# Altium PCB AMS_Remote_Module_A1.PcbDoc (part 3 of 3)
Units mm, origin at the board's own origin, x right, y up, seen from the top; angles counter-clockwise.
Board outline 140 x 118 mm, 4 copper layers (Top Layer, Layer 1, Layer 2, Bottom Layer), stack 0.603 mm thick; 282 components, 222 nets, 873 pads, 680 vias.
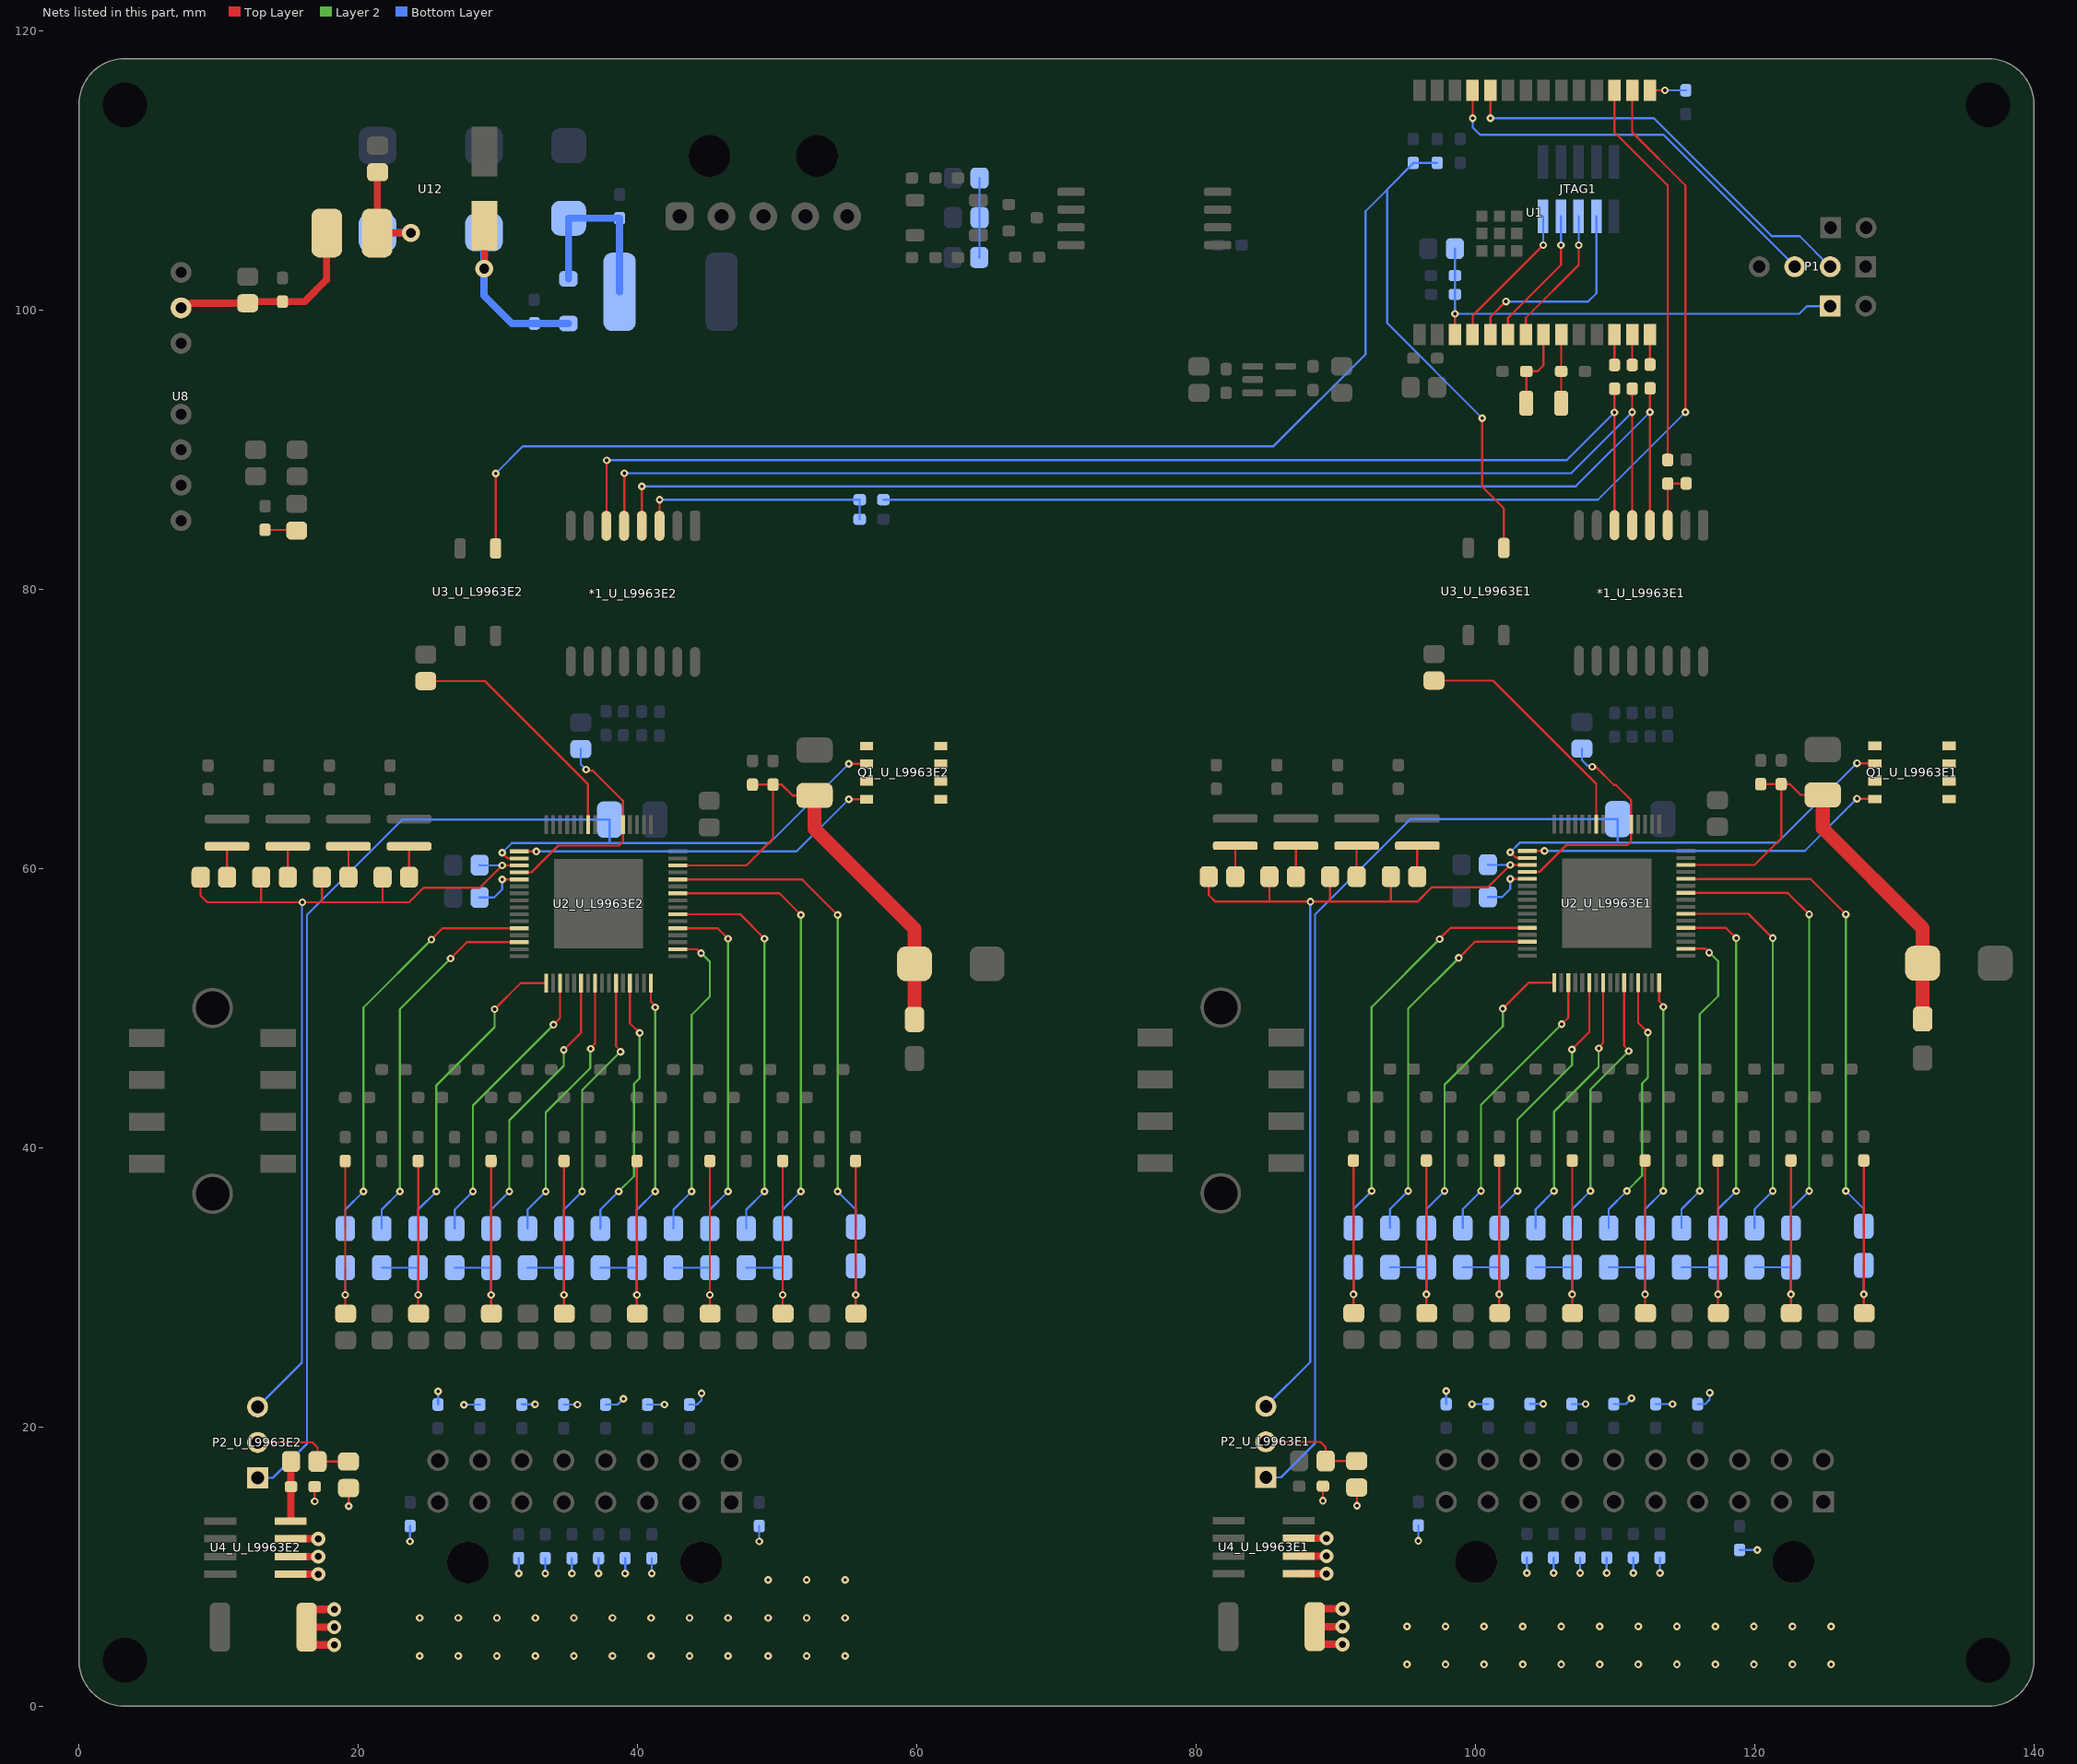
[diagram p5: the nets of this part, all layers, seen from the top]

## Via types
v1: diameter 0.55, hole 0.25, Top Layer to Bottom Layer, tented both sides, 645 vias
v2: diameter 1, hole 0.5, Top Layer to Bottom Layer, tented both sides, 26 vias
v3: diameter 1.27, hole 0.711, Top Layer to Bottom Layer, tented both sides, 9 vias

## Nets (pads, with @x,y where several pads share a name; then routed paths per layer and width w, separated by ;. In a path a pad name is that pad's centre, name@x,y a point inside that pad or via, vN(x,y) a via of type N, cw(c..) or ccw(c..) an arc to the next point about the centre after c; other vN are vias at no path point) (continued)
NetC47_U_L9963E2_2: C47_U_L9963E2.2 R56_U_L9963E2.2 U4_U_L9963E2.4 | length 4.3
  Top Layer w0.152: U4_U_L9963E2.4@15.164,13.259 U4_U_L9963E2.4@15.189,13.284
  Top Layer w0.533: U4_U_L9963E2.4@15.189,13.284 C47_U_L9963E2.2@15.189,15.723 R56_U_L9963E2.2@15.189,17.527 15.189,17.549 R56_U_L9963E2.2@15.192,17.551
NetC53_2: C53.2 R65.1 R66.2 | length 5.7
  Bottom Layer w0.152: R65.1@64.464,103.759 64.489,103.759 C53.2@64.489,106.619 R66.2@64.489,109.449
NetC67_2: C67.2 L1.2 U12.2 | length 9.2
  Top Layer w0.508: C67.2@21.39,109.869 21.374,109.853 21.374,105.528 L1.2@21.358,105.512 v3(23.774,105.512)
  Bottom Layer w0.508: U12.2@21.39,105.549 21.409,105.53 23.756,105.53 v3(23.774,105.512)
NetC70_2: C70.2 D2.A D4.K F1.2 | length 13.3
  Bottom Layer w0.152: D2.A@35.052,102.235 D2.A@35.072,102.235
  Bottom Layer w0.508: D2.A@35.072,102.235 D4.K@35.072,106.569 C70.2@38.716,106.569 F1.2@38.716,101.298
NetD3_K: D3.K R69.2 | length 2.3
  Top Layer w0.152: R69.2@13.335,84.252 D3.K@15.595,84.252
NetP2_U_L9963E1_2: P2_U_L9963E1.2 R56_U_L9963E1.1 R58_U_L9963E1.2 | length 7.7
  Top Layer w0.152: P2_U_L9963E1.2@84.988,18.935 88.9,18.935 89.276,18.559 R56_U_L9963E1.1@89.276,17.564 R58_U_L9963E1.2@91.492,17.564
NetP2_U_L9963E2_2: P2_U_L9963E2.2 R56_U_L9963E2.1 R58_U_L9963E2.2 | length 7.7
  Top Layer w0.152: P2_U_L9963E2.2@12.802,18.898 16.713,18.898 17.089,18.522 R56_U_L9963E2.1@17.089,17.527 R58_U_L9963E2.2@19.305,17.527
NetQ1_U_L9963E1_4: Q1_U_L9963E1.4 U2_U_L9963E1.17 | length 26.4
  Top Layer w0.152: U2_U_L9963E1.17@103.721,61.257 v1(104.945,61.256) ; v1(127.318,64.999) Q1_U_L9963E1.4@128.587,64.999
  Bottom Layer w0.152: v1(104.945,61.256) 123.576,61.257 v1(127.318,64.999)
NetQ1_U_L9963E2_4: Q1_U_L9963E2.4 U2_U_L9963E2.17 | length 26.4
  Top Layer w0.152: U2_U_L9963E2.17@31.534,61.219 v1(32.758,61.219) ; v1(55.131,64.961) Q1_U_L9963E2.4@56.4,64.961
  Bottom Layer w0.152: v1(32.758,61.219) 51.389,61.219 v1(55.131,64.961)
NetR1_1: R1.1 U1.15 | length 2.6
  Top Layer w0.152: U1.15@112.497,115.736 v1(113.563,115.736)
  Bottom Layer w0.152: v1(113.563,115.736) R1.1@115.062,115.736
NetR3_2: R3.2 R4.2 U3_U_L9963E1.3 U3_U_L9963E2.3 | length 117.2
  Top Layer w0.152: U3_U_L9963E2.3@29.845,82.92 v1(29.845,88.29) ; v1(100.482,92.253) 100.482,87.351 102.032,85.801 U3_U_L9963E1.3@102.032,82.958
  Bottom Layer w0.152: v1(29.845,88.29) 31.801,90.246 85.547,90.246 92.126,96.825 92.126,107.075 93.675,108.625 ; 93.681,108.63 93.675,108.625 ; R4.2@95.543,110.543 R4.2@95.582,110.543 ; R3.2@97.257,110.543 R4.2@95.582,110.543 ; v1(100.482,92.253) 93.675,99.06 93.675,108.625 ; 93.675,108.625 93.675,108.636 R4.2@95.582,110.543
NetR6_U_L9963E1_2: R6_U_L9963E1.2 R7_U_L9963E1.1 R8_U_L9963E1.1 | length 13
  Top Layer w0.152: R7_U_L9963E1.1@127.808,39.091 v1(127.807,29.502) 127.807,28.185 R6_U_L9963E1.2@127.839,28.154
  Bottom Layer w0.152: v1(127.807,29.502) R8_U_L9963E1.1@127.807,31.573
NetR6_U_L9963E2_2: R6_U_L9963E2.2 R7_U_L9963E2.1 R8_U_L9963E2.1 | length 13
  Top Layer w0.152: R7_U_L9963E2.1@55.621,39.053 v1(55.62,29.464) 55.62,28.148 R6_U_L9963E2.2@55.652,28.116
  Bottom Layer w0.152: v1(55.62,29.464) R8_U_L9963E2.1@55.621,31.536
NetR11_U_L9963E1_1: R11_U_L9963E1.1 R12_U_L9963E1.2 R13_U_L9963E1.1 R14_U_L9963E1.1 | length 15.5
  Top Layer w0.152: v1(122.587,29.502) 122.587,28.18 R12_U_L9963E1.2@122.614,28.154 ; v1(122.587,29.502) R13_U_L9963E1.1@122.588,39.091
  Bottom Layer w0.152: R14_U_L9963E1.1@119.977,31.447 R11_U_L9963E1.1@122.588,31.447 ; v1(122.587,29.502) R11_U_L9963E1.1@122.587,31.446
NetR11_U_L9963E2_1: R11_U_L9963E2.1 R12_U_L9963E2.2 R13_U_L9963E2.1 R14_U_L9963E2.1 | length 15.5
  Top Layer w0.152: v1(50.4,29.464) 50.4,28.143 R12_U_L9963E2.2@50.427,28.116 ; v1(50.4,29.464) R13_U_L9963E2.1@50.401,39.053
  Bottom Layer w0.152: R14_U_L9963E2.1@47.791,31.409 R11_U_L9963E2.1@50.401,31.409 ; v1(50.4,29.464) R11_U_L9963E2.1@50.4,31.408
NetR17_U_L9963E1_1: R17_U_L9963E1.1 R18_U_L9963E1.2 R19_U_L9963E1.1 R20_U_L9963E1.1 | length 15.5
  Top Layer w0.152: v1(117.366,29.502) 117.366,28.176 R18_U_L9963E1.2@117.389,28.154 ; v1(117.366,29.502) R19_U_L9963E1.1@117.367,39.091
  Bottom Layer w0.152: R20_U_L9963E1.1@114.757,31.447 R17_U_L9963E1.1@117.367,31.447 ; v1(117.366,29.502) R17_U_L9963E1.1@117.366,31.446
NetR17_U_L9963E2_1: R17_U_L9963E2.1 R18_U_L9963E2.2 R19_U_L9963E2.1 R20_U_L9963E2.1 | length 15.5
  Top Layer w0.152: v1(45.179,29.464) 45.179,28.138 R18_U_L9963E2.2@45.202,28.116 ; v1(45.179,29.464) R19_U_L9963E2.1@45.18,39.053
  Bottom Layer w0.152: R20_U_L9963E2.1@42.57,31.409 R17_U_L9963E2.1@45.18,31.409 ; v1(45.179,29.464) R17_U_L9963E2.1@45.179,31.408
NetR23_U_L9963E1_1: R23_U_L9963E1.1 R24_U_L9963E1.2 R25_U_L9963E1.1 R27_U_L9963E1.1 | length 15.5
  Top Layer w0.152: v1(112.145,29.502) 112.145,28.172 R24_U_L9963E1.2@112.164,28.154 ; v1(112.145,29.502) R25_U_L9963E1.1@112.146,39.091
  Bottom Layer w0.152: R27_U_L9963E1.1@109.536,31.447 R23_U_L9963E1.1@112.129,31.447 ; v1(112.145,29.502) R23_U_L9963E1.1@112.145,31.446
NetR23_U_L9963E2_1: R23_U_L9963E2.1 R24_U_L9963E2.2 R25_U_L9963E2.1 R27_U_L9963E2.1 | length 15.5
  Top Layer w0.152: v1(39.959,29.464) 39.959,28.134 R24_U_L9963E2.2@39.977,28.116 ; v1(39.959,29.464) R25_U_L9963E2.1@39.959,39.053
  Bottom Layer w0.152: R27_U_L9963E2.1@37.349,31.409 R23_U_L9963E2.1@39.942,31.409 ; v1(39.959,29.464) R23_U_L9963E2.1@39.959,31.408
NetR30_U_L9963E1_1: R30_U_L9963E1.1 R31_U_L9963E1.2 R33_U_L9963E1.1 R34_U_L9963E1.1 | length 15.5
  Top Layer w0.152: R33_U_L9963E1.1@106.925,39.09 v1(106.925,29.502) 106.925,28.167 R31_U_L9963E1.2@106.938,28.154
  Bottom Layer w0.152: R34_U_L9963E1.1@104.315,31.447 R30_U_L9963E1.1@106.925,31.447 v1(106.925,29.502)
NetR30_U_L9963E2_1: R30_U_L9963E2.1 R31_U_L9963E2.2 R33_U_L9963E2.1 R34_U_L9963E2.1 | length 15.5
  Top Layer w0.152: R33_U_L9963E2.1@34.738,39.053 v1(34.738,29.464) 34.738,28.13 R31_U_L9963E2.2@34.752,28.116
  Bottom Layer w0.152: R34_U_L9963E2.1@32.128,31.409 R30_U_L9963E2.1@34.738,31.409 v1(34.738,29.464)
NetR32_1: R32.1 U1.12 | length 2.2
  Top Layer w0.152: R32.1@109.957,96.061 U1.12@109.957,98.235
NetR37_U_L9963E1_1: R37_U_L9963E1.1 U2_U_L9963E1.10 | length 17.6
  Top Layer w0.152: R37_U_L9963E1.1@97.029,73.46 101.253,73.46 108.648,66.066 U2_U_L9963E1.10@108.648,63.182
NetR37_U_L9963E2_1: R37_U_L9963E2.1 U2_U_L9963E2.10 | length 17.6
  Top Layer w0.152: R37_U_L9963E2.1@24.842,73.422 29.067,73.422 36.461,66.028 U2_U_L9963E2.10@36.461,63.145
NetR42_U_L9963E1_1: R42_U_L9963E1.1 R47_U_L9963E1.2 R49_U_L9963E1.1 R50_U_L9963E1.1 | length 15.5
  Top Layer w0.152: R49_U_L9963E1.1@101.704,39.091 v1(101.704,29.502) 101.704,28.163 R47_U_L9963E1.2@101.713,28.154
  Bottom Layer w0.152: R50_U_L9963E1.1@99.094,31.447 R42_U_L9963E1.1@101.704,31.447 v1(101.704,29.502)
NetR42_U_L9963E2_1: R42_U_L9963E2.1 R47_U_L9963E2.2 R49_U_L9963E2.1 R50_U_L9963E2.1 | length 15.5
  Top Layer w0.152: R49_U_L9963E2.1@29.518,39.053 v1(29.517,29.464) 29.517,28.125 R47_U_L9963E2.2@29.526,28.116
  Bottom Layer w0.152: R50_U_L9963E2.1@26.907,31.409 R42_U_L9963E2.1@29.518,31.409 v1(29.517,29.464)
NetR48_1: R48.1 U1.16 | length 84.7
  Top Layer w0.152: U1.16@111.227,115.736 111.227,112.725 115.037,108.915 v1(115.037,92.685)
  Bottom Layer w0.152: R48.1@57.611,86.411 108.763,86.411 v1(115.037,92.685)
NetR53_U_L9963E1_1: R53_U_L9963E1.1 R54_U_L9963E1.2 R55_U_L9963E1.1 R57_U_L9963E1.1 | length 15.5
  Top Layer w0.152: R55_U_L9963E1.1@96.484,39.091 96.483,29.502 96.483,28.159 R54_U_L9963E1.2@96.488,28.154
  Bottom Layer w0.152: R57_U_L9963E1.1@93.873,31.447 96.44,31.447 R53_U_L9963E1.1@96.462,31.425 ; v1(96.483,29.502) R53_U_L9963E1.1@96.483,31.446
NetR53_U_L9963E2_1: R53_U_L9963E2.1 R54_U_L9963E2.2 R55_U_L9963E2.1 R57_U_L9963E2.1 | length 15.5
  Top Layer w0.152: R55_U_L9963E2.1@24.297,39.053 24.297,29.464 24.296,28.121 R54_U_L9963E2.2@24.301,28.116
  Bottom Layer w0.152: R57_U_L9963E2.1@21.686,31.409 24.253,31.409 R53_U_L9963E2.1@24.275,31.387 ; v1(24.296,29.464) R53_U_L9963E2.1@24.296,31.408
NetR62_U_L9963E1_1: R62_U_L9963E1.1 R63_U_L9963E1.2 R64_U_L9963E1.1 | length 12.9
  Top Layer w0.152: R63_U_L9963E1.2@91.262,28.154 v1(91.262,29.502) R64_U_L9963E1.1@91.263,39.091
  Bottom Layer w0.152: v1(91.262,29.502) R62_U_L9963E1.1@91.262,31.446
NetR62_U_L9963E2_1: R62_U_L9963E2.1 R63_U_L9963E2.2 R64_U_L9963E2.1 | length 12.9
  Top Layer w0.152: R63_U_L9963E2.2@19.075,28.117 v1(19.075,29.464) R64_U_L9963E2.1@19.076,39.053
  Bottom Layer w0.152: v1(19.075,29.464) R62_U_L9963E2.1@19.076,31.409
NetR68_1: R68.1 U1.17 | length 28.1
  Top Layer w0.152: U1.17@109.957,115.736 109.957,112.725 113.767,108.915 R68.1@113.767,89.259
NetR70_2: R70.2 U1.14 | length 2.1
  Top Layer w0.152: R70.2@112.497,96.091 U1.14@112.497,98.235
NetR71_2: R71.2 U1.13 | length 2.2
  Top Layer w0.152: R71.2@111.227,96.063 U1.13@111.227,98.235
NRST: "Header 1x2.1" C3.1 C6.2 R2.2 U1.3 | length 33.3
  Top Layer w0.152: U1.3@98.527,98.236 v1(98.527,99.72)
  Bottom Layer w0.152: C6.2@98.527,104.395 C3.1@98.527,102.464 R2.2@98.527,101.117 v1(98.527,99.72) 123.19,99.72 123.749,100.279 125.4,100.279
OSC32_IN: C4.2 U1.8 X1.1 | length 5.9
  Top Layer w0.152: X1.1@103.639,93.323 C4.2@103.639,95.609 104.448,95.609 104.877,96.038 U1.8@104.877,98.236
OSC32_OUT: C5.2 U1.9 X1.2 | length 4.9
  Top Layer w0.152: X1.2@106.139,93.323 C5.2@106.139,95.609 106.139,98.228 U1.9@106.147,98.236
PACK_GND_U_L9963E1: C16_U_L9963E1.1 C18_U_L9963E1.1 C20_U_L9963E1.1 C22_U_L9963E1.1 C25_U_L9963E1.1 C27_U_L9963E1.1 C29_U_L9963E1.1 C31_U_L9963E1.1 C33_U_L9963E1.1 C35_U_L9963E1.1 C41_U_L9963E1.1 C43_U_L9963E1.1 C45_U_L9963E1.1 C47_U_L9963E1.1 C48_U_L9963E1.1 C50_U_L9963E1.1 R58_U_L9963E1.1 R59_U_L9963E1.1 U4_U_L9963E1.1 U4_U_L9963E1.2 U4_U_L9963E1.3 | length 31.4
  Top Layer w0.152: v1(89.076,14.717) C47_U_L9963E1.1@89.076,15.76 ; v2(89.332,9.486) v2@89.383,9.486 ; R58_U_L9963E1.1@91.492,15.664 91.516,15.64 v1(91.516,14.363)
  Top Layer w0.533: U4_U_L9963E1.1@87.351,9.486 v2(89.332,9.486) ; U4_U_L9963E1.2@87.351,10.756 v2(89.332,10.756) ; U4_U_L9963E1.3@87.351,12.026 v2(89.332,12.026) ; R59_U_L9963E1.1@88.496,4.432 v2(90.477,4.432) ; R59_U_L9963E1.1@88.496,5.702 v2(90.477,5.702) ; R59_U_L9963E1.1@88.496,6.972 v2(90.477,6.972)
  Bottom Layer w0.152: v1(95.906,11.844) C50_U_L9963E1.1@95.906,12.943 ; C48_U_L9963E1.1@97.906,21.643 v1(97.906,22.582) ; v1@99.731,21.643 C43_U_L9963E1.1@100.906,21.643 ; v1(103.683,9.544) C45_U_L9963E1.1@103.683,10.643 ; C35_U_L9963E1.1@103.906,21.643 103.916,21.653 v1(104.851,21.653) ; v1(105.588,9.544) C41_U_L9963E1.1@105.588,10.643 ; C31_U_L9963E1.1@106.906,21.643 v1(107.889,21.643) ; v1(107.493,9.544) C33_U_L9963E1.1@107.493,10.643 ; v1(109.398,9.544) C29_U_L9963E1.1@109.398,10.643 ; C27_U_L9963E1.1@109.906,21.643 110.759,21.643 v1(111.176,22.059) ; v1(111.303,9.544) C25_U_L9963E1.1@111.303,10.643 ; C22_U_L9963E1.1@112.906,21.643 v1(114.112,21.643) ; v1(113.208,9.544) C20_U_L9963E1.1@113.208,10.643 ; C18_U_L9963E1.1@115.906,21.643 116.449,21.643 116.768,21.962 116.768,22.452 v1(116.772,22.457) ; C16_U_L9963E1.1@118.917,11.193 118.919,11.191 v1(120.187,11.191)
  other v1: 95.098,2.997 97.858,2.997 100.618,2.997 103.378,2.997 106.138,2.997 108.898,2.997 111.658,2.997 114.419,2.997 117.179,2.997 119.939,2.997 122.699,2.997 125.459,2.997 95.098,5.715 97.858,5.715 100.618,5.715 103.378,5.715 106.138,5.715 108.898,5.715 111.658,5.715 114.419,5.715 117.179,5.715 119.939,5.715 122.699,5.715 125.459,5.715 99.759,21.631
PACK_GND_U_L9963E2: C16_U_L9963E2.1 C18_U_L9963E2.1 C20_U_L9963E2.1 C22_U_L9963E2.1 C25_U_L9963E2.1 C27_U_L9963E2.1 C29_U_L9963E2.1 C31_U_L9963E2.1 C33_U_L9963E2.1 C35_U_L9963E2.1 C41_U_L9963E2.1 C43_U_L9963E2.1 C45_U_L9963E2.1 C47_U_L9963E2.1 C48_U_L9963E2.1 C50_U_L9963E2.1 R58_U_L9963E2.1 R59_U_L9963E2.1 U4_U_L9963E2.1 U4_U_L9963E2.2 U4_U_L9963E2.3 | length 31.3
  Top Layer w0.152: v1(16.889,14.679) C47_U_L9963E2.1@16.889,15.723 ; v2(17.145,9.449) v2@17.196,9.449 ; R58_U_L9963E2.1@19.305,15.627 19.329,15.602 v1(19.329,14.326)
  Top Layer w0.533: U4_U_L9963E2.1@15.164,9.449 v2(17.145,9.449) ; U4_U_L9963E2.2@15.164,10.719 v2(17.145,10.719) ; U4_U_L9963E2.3@15.164,11.989 v2(17.145,11.989) ; R59_U_L9963E2.1@16.309,4.394 v2(18.29,4.394) ; R59_U_L9963E2.1@16.309,5.664 v2(18.29,5.664) ; R59_U_L9963E2.1@16.309,6.934 v2(18.29,6.934)
  Bottom Layer w0.152: v1(23.719,11.806) C50_U_L9963E2.1@23.719,12.905 ; C48_U_L9963E2.1@25.719,21.605 v1(25.719,22.544) ; v1@27.544,21.605 C43_U_L9963E2.1@28.719,21.605 ; v1(31.496,9.506) C45_U_L9963E2.1@31.496,10.605 ; C35_U_L9963E2.1@31.719,21.605 31.729,21.615 v1(32.664,21.615) ; v1(33.401,9.506) C41_U_L9963E2.1@33.401,10.605 ; C31_U_L9963E2.1@34.719,21.605 v1(35.702,21.605) ; v1(35.306,9.506) C33_U_L9963E2.1@35.306,10.605 ; v1(37.211,9.506) C29_U_L9963E2.1@37.211,10.605 ; C27_U_L9963E2.1@37.719,21.605 38.572,21.605 v1(38.989,22.022) ; v1(39.116,9.506) C25_U_L9963E2.1@39.116,10.605 ; C22_U_L9963E2.1@40.719,21.605 v1(41.925,21.605) ; v1(41.021,9.506) C20_U_L9963E2.1@41.021,10.605 ; C18_U_L9963E2.1@43.719,21.605 44.262,21.605 44.581,21.924 44.581,22.415 v1(44.586,22.42) ; v1(48.719,11.806) C16_U_L9963E2.1@48.719,12.905
  other v1: 24.409,3.607 27.17,3.607 29.93,3.607 32.69,3.607 35.45,3.607 38.21,3.607 40.97,3.607 43.73,3.607 46.49,3.607 49.352,3.607 52.112,3.607 54.872,3.607 24.409,6.325 27.17,6.325 29.93,6.325 32.69,6.325 35.45,6.325 38.21,6.325 40.97,6.325 43.73,6.325 46.49,6.325 49.352,6.325 52.112,6.325 54.872,6.325 49.352,9.042 52.112,9.042 54.872,9.042 27.572,21.594
S1_U_L9963E1: R62_U_L9963E1.2 U2_U_L9963E1.28 | length 29.9
  Top Layer w0.152: v1(97.434,54.94) 97.434,54.966 98.224,55.755 U2_U_L9963E1.28@103.721,55.755
  Layer 2 w0.152: v1(92.568,36.908) 92.568,50.074 v1(97.434,54.94)
  Bottom Layer w0.152: R62_U_L9963E1.2@91.263,34.247 91.263,35.603 v1(92.568,36.908)
S1_U_L9963E2: R62_U_L9963E2.2 U2_U_L9963E2.28 | length 29.9
  Top Layer w0.152: v1(25.248,54.903) 25.248,54.928 26.037,55.718 U2_U_L9963E2.28@31.534,55.718
  Layer 2 w0.152: v1(20.381,36.87) 20.381,50.036 v1(25.248,54.903)
  Bottom Layer w0.152: R62_U_L9963E2.2@19.076,34.209 19.076,35.565 v1(20.381,36.87)
S2_U_L9963E1: R57_U_L9963E1.2 U2_U_L9963E1.30 | length 26.8
  Top Layer w0.152: v1(98.806,53.594) 99.967,54.755 U2_U_L9963E1.30@103.721,54.755
  Layer 2 w0.152: v1(95.178,36.908) 95.178,49.966 v1(98.806,53.594)
  Bottom Layer w0.152: R57_U_L9963E1.2@93.873,34.247 93.873,35.603 v1(95.178,36.908)
S2_U_L9963E2: R57_U_L9963E2.2 U2_U_L9963E2.30 | length 26.8
  Top Layer w0.152: v1(26.619,53.556) 27.78,54.717 U2_U_L9963E2.30@31.534,54.717
  Layer 2 w0.152: v1(22.991,36.87) 22.991,49.929 v1(26.619,53.556)
  Bottom Layer w0.152: R57_U_L9963E2.2@21.686,34.209 21.686,35.565 v1(22.991,36.87)
S3_U_L9963E1: R53_U_L9963E1.2 U2_U_L9963E1.33 | length 22.4
  Top Layer w0.152: v1(101.956,49.962) 103.822,51.829 U2_U_L9963E1.33@105.647,51.829
  Layer 2 w0.152: v1(97.789,36.908) 97.789,44.512 101.956,48.679 v1(101.956,49.962)
  Bottom Layer w0.152: R53_U_L9963E1.2@96.484,34.247 96.484,35.603 v1(97.789,36.908)
S3_U_L9963E2: R53_U_L9963E2.2 U2_U_L9963E2.33 | length 22.4
  Top Layer w0.152: v1(29.769,49.924) 31.636,51.791 U2_U_L9963E2.33@33.46,51.791
  Layer 2 w0.152: v1(25.602,36.87) 25.602,44.474 29.769,48.641 v1(29.769,49.924)
  Bottom Layer w0.152: R53_U_L9963E2.2@24.297,34.209 24.297,35.565 v1(25.602,36.87)
S4_U_L9963E1: R50_U_L9963E1.2 U2_U_L9963E1.35 | length 20.7
  Top Layer w0.152: v1(106.172,48.844) 106.647,49.319 U2_U_L9963E1.35@106.647,51.829
  Layer 2 w0.152: v1(100.399,36.908) 100.399,43.071 v1(106.172,48.844)
  Bottom Layer w0.152: R50_U_L9963E1.2@99.094,34.247 99.094,35.603 v1(100.399,36.908)
S4_U_L9963E2: R50_U_L9963E2.2 U2_U_L9963E2.35 | length 20.7
  Top Layer w0.152: v1(33.985,48.807) 34.46,49.282 U2_U_L9963E2.35@34.46,51.791
  Layer 2 w0.152: v1(28.212,36.87) 28.212,43.034 v1(33.985,48.807)
  Bottom Layer w0.152: R50_U_L9963E2.2@26.907,34.209 26.907,35.565 v1(28.212,36.87)
S5_U_L9963E1: R42_U_L9963E1.2 U2_U_L9963E1.38 | length 20.3
  Top Layer w0.152: v1(106.905,47.042) 108.147,48.285 U2_U_L9963E1.38@108.147,51.829
  Layer 2 w0.152: v1(103.009,36.908) 103.009,42.011 106.905,45.906 v1(106.905,47.042)
  Bottom Layer w0.152: R42_U_L9963E1.2@101.704,34.247 101.704,35.603 v1(103.009,36.908)
S5_U_L9963E2: R42_U_L9963E2.2 U2_U_L9963E2.38 | length 20.3
  Top Layer w0.152: v1(34.718,47.004) 35.961,48.247 U2_U_L9963E2.38@35.961,51.791
  Layer 2 w0.152: v1(30.823,36.87) 30.823,41.973 34.718,45.868 v1(34.718,47.004)
  Bottom Layer w0.152: R42_U_L9963E2.2@29.518,34.209 29.518,35.565 v1(30.823,36.87)
S6_U_L9963E1: R34_U_L9963E1.2 U2_U_L9963E1.40 | length 19.6
  Top Layer w0.152: v1(108.835,47.117) 108.835,47.182 109.148,47.494 U2_U_L9963E1.40@109.148,51.829
  Layer 2 w0.152: v1(105.62,36.908) 105.62,42.564 108.814,45.758 v1@108.814,47.117
  Bottom Layer w0.152: R34_U_L9963E1.2@104.315,34.247 104.315,35.603 v1(105.62,36.908)
S6_U_L9963E2: R34_U_L9963E2.2 U2_U_L9963E2.40 | length 19.6